# Altium PCB MB1605.PcbDoc (part 1 of 11) (continued)
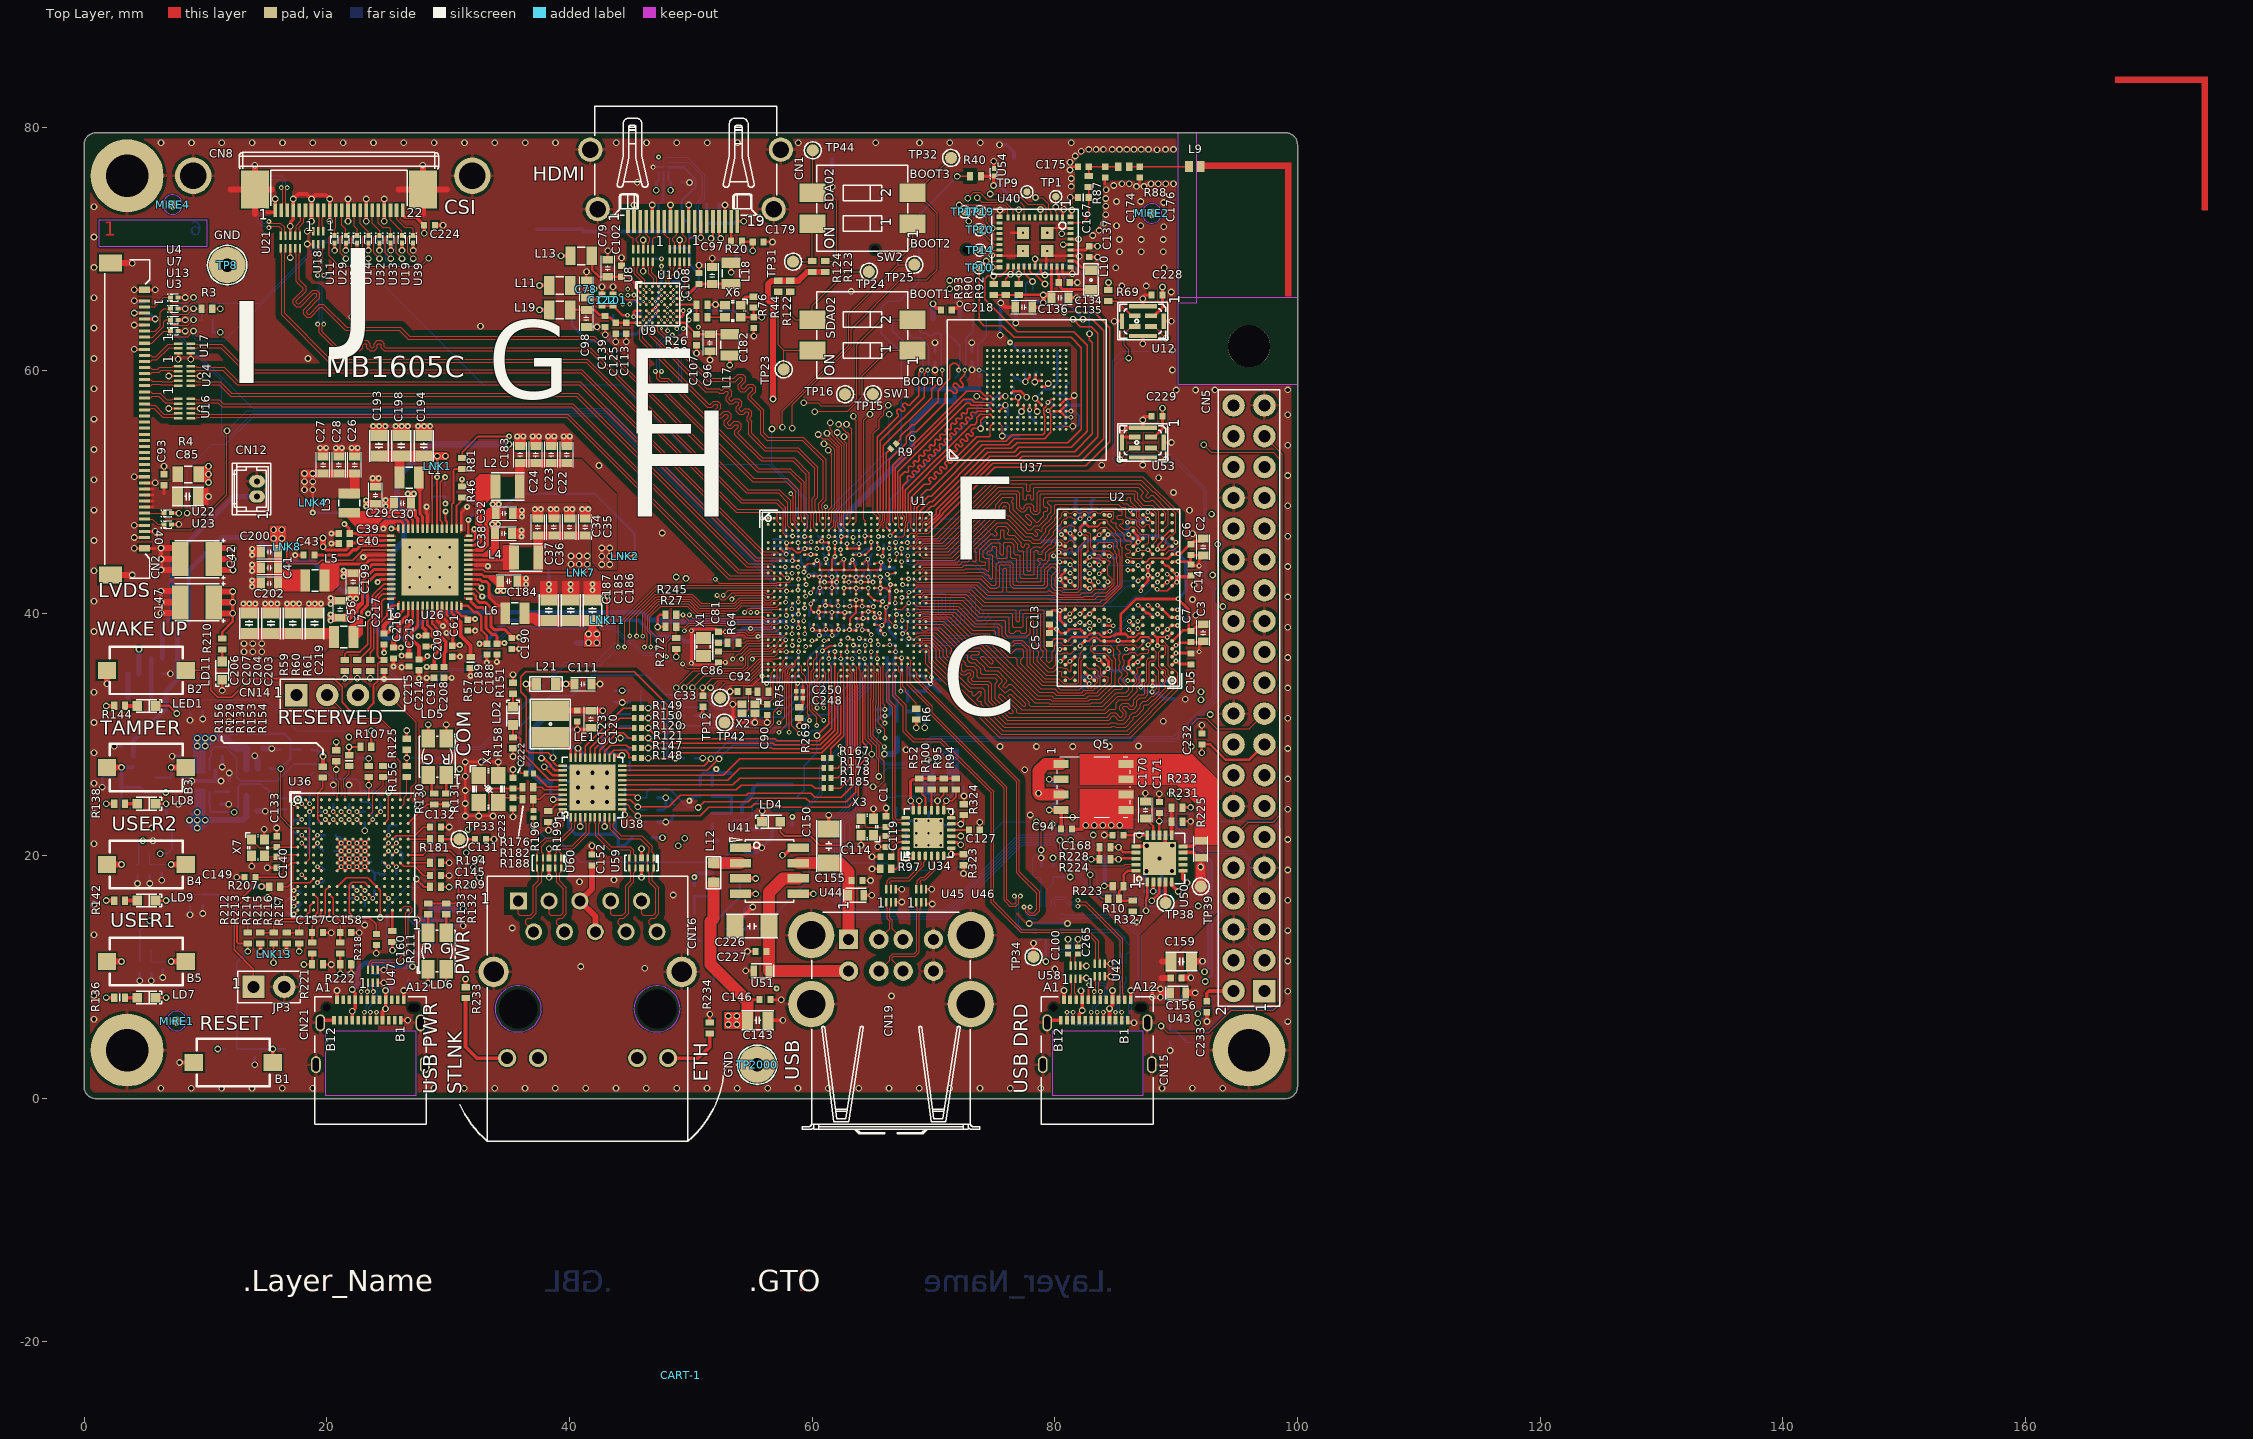
[diagram p0: Top Layer view]
## Classes and differential pairs (continued)
component class U_SDcard_eMMC: C9 C89 C117 C118 C128 C130 C148 C218 CN6 D7 HW1 R9 R34 R35 R36 R37 R38 R39 R40 R101 R103 R104 R248 TP21 U5 U6 U37 U54
component class U_MP257_14x14: C33 C81 C86 C90 C92 R27 R31 R32 R64 R75 R107 R125 R205 R224 R228 R245 R246 R260 R261 R272 TP11 TP12 TP13 TP30 TP35 TP40 TP41 TP42 TP43 U1 X1 X2
component class U_LVDS: C84 C85 C93 CN2 R3 R4 U3 U4 U7 U13 U16 U17 U22 U23 U24
component class U_LpDDR4: C2 C3 C4 C5 C6 C7 C8 C10 C11 C12 C13 C14 C15 C16 C17 C18 C19 C20 C21 R1 R2 R42 S U2
component class U_Expansion_Connector: C232 C233 CN5
component class U_CAMERA: C224 CN8 R251 U11 U14 U18 U19 U21 U29 U31 U32 U33 U39
component class U_AUDIO: C228 C229 R69 U12 U53
component class U_HDMI: C78 C79 C80 C96 C97 C98 C101 C102 C106 C107 C108 C113 C122 C125 C139 C177 C179 C180 C181 C182 CN1 D1 L11 L13 L16 L17 L18 L19 R13 R15 R16 R17 R18 R20 R21 R22 R23 R24 R25 R26 R28 R29 R30 R63 R76 R250 U8 U9 U10 U20 X6
component class U_Peripherals: B1 B3 B4 B5 C161 C162 C163 LD7 LD8 LD9 LED1 Q1 Q2 Q3 R33 R44 R122 R123 R124 R126 R127 R128 R135 R136 R137 R138 R139 R140 R141 R142 R143 R144 SW1 SW2 TP2 TP3 TP4 TP5 TP6 TP7 TP15 TP16 TP22 TP23 TP24 TP25 TP31 TP32 TP44 U15 U25 U27 U28
net class SD.SDMMC1_D[0..3]: SD.SDMMC1_D0 SD.SDMMC1_D1 SD.SDMMC1_D2 SD.SDMMC1_D3
net class BOOT[0..3]: BOOT0 BOOT1 BOOT2 BOOT3
component class U_WLAN_BLUETOOTH: C134 C135 C136 C137 C167 C174 C175 C176 L9 L10 R87 R88 R89 R90 R91 R92 R93 TP1 TP9 TP10 TP14 TP17 TP18 TP19 TP20 U40
component class U_Power_MPU: C44 C45 C46 C47 C48 C49 C50 C51 C52 C53 C54 C55 C57 C58 C59 C60 C62 C63 C64 C65 C66 C67 C68 C69 C70 C71 C72 C73 C74 C75 C76 C77 C82 C83 C87 C88 C151 C192 C195 C196 C197 C201 C205 C220 C225 C234 C235 C236 C237 C238 C239 C240 C244 C246 C248 C250 C251 C252 C253 C260 CN12 D6 R11 R66 R67 R267 R269 R286 TP2000
component class U_ETHERNET: C103 C104 C109 C111 C120 C123 C141 C152 C222 C223 C280 C288 C295 C296 C302 C306 C309 C314 C317 C322 C323 C332 CN16 L15 L21 LD2 LE1 R109 R110 R111 R112 R113 R114 R120 R121 R147 R148 R149 R150 R151 R158 R161 R164 R167 R173 R176 R178 R182 R185 R188 R191 R195 R196 R199 R233 R234 R292 R293 R303 R304 R305 R310 R313 R318 R319 R322 U38 U59 U60 X4
component class U_Power_PMIC: B2 C22 C23 C24 C26 C27 C28 C29 C30 C32 C34 C35 C36 C37 C38 C39 C40 C41 C42 C43 C56 C61 C91 C147 C183 C184 C185 C186 C187 C188 C189 C190 C193 C194 C198 C199 C200 C202 C203 C204 C206 C207 C208 C209 C213 C214 C215 C216 C217 C219 L1 L2 L3 L4 L5 L6 L7 LD11 LNK1 LNK2 LNK4 LNK7 LNK8 LNK11 R46 R57 R59 R60 R61 R81 R210 TP8 U26
differential pair netc265/netc212: +NetC100_2 -NetC265_2
differential pair netc266/netc267: +NetC267_2 -NetC266_2
differential pair RX2: +RX2_P -RX2_N
differential pair RX1: +RX1_P -RX1_N
differential pair USB3TX: +USB3TX_P -USB3TX_N
differential pair USB3RX: +USB3RX_P -USB3RX_N
differential pair TX20: +TX20_P -TX20_N
differential pair TX10: +TX10_P -TX10_N
differential pair TX2: +TX2_P -TX2_N
differential pair TX1: +TX1_P -TX1_N
differential pair HDMI_RXC: +HDMI_RXC_P -HDMI_RXC_N
differential pair HDMI_RX2: +HDMI_RX2_P -HDMI_RX2_N
differential pair HDMI_RX1: +HDMI_RX1_P -HDMI_RX1_N
differential pair HDMI_RX0: +HDMI_RX0_P -HDMI_RX0_N
differential pair USBDN1: +USBDN1_P -USBDN1_N
differential pair DDR_DQS1_B: +DDR_DQS1_B_P -DDR_DQS1_B_N
differential pair DDR_DQS1_A: +DDR_DQS1_A_P -DDR_DQS1_A_N
differential pair DDR_DQS0_B: +DDR_DQS0_B_P -DDR_DQS0_B_N
differential pair DDR_DQS0_A: +DDR_DQS0_A_P -DDR_DQS0_A_N
differential pair DDR_CLK_B: +DDR_CLK_B_P -DDR_CLK_B_N
differential pair DDR_CLK_A: +DDR_CLK_A_P -DDR_CLK_A_N
differential pair USBH: +USBH_P -USBH_N
differential pair USBDR: +USBDR_P -USBDR_N
differential pair USBDN2: +USBDN2_P -USBDN2_N
differential pair USB_DCONN: +USB_DCONN_P -USB_DCONN_N
differential pair USB2CN: +USB2CN_P -USB2CN_N
differential pair USB1CN: +USB1CN_P -USB1CN_N
differential pair TMDS_D2: +TMDS_D2_P -TMDS_D2_N
differential pair TMDS_D1: +TMDS_D1_P -TMDS_D1_N
differential pair TMDS_D0: +TMDS_D0_P -TMDS_D0_N
differential pair TMDS_CLK: +TMDS_CLK_P -TMDS_CLK_N
differential pair STLK_USB: +STLK_USB_P -STLK_USB_N
differential pair STLK_USB_CN: +STLK_USB_CN_P -STLK_USB_CN_N
differential pair LVDS1.D3con: +LVDS1.D3con_P -LVDS1.D3con_N
differential pair LVDS1.D2con: +LVDS1.D2con_P -LVDS1.D2con_N
differential pair LVDS1.D1con: +LVDS1.D1con_P -LVDS1.D1con_N
differential pair LVDS1.D0con: +LVDS1.D0con_P -LVDS1.D0con_N
differential pair LVDS1.CLK: +LVDS1.CLK_P -LVDS1.CLK_N
differential pair LVDS1.CLKcon: +LVDS1.CLKcon_P -LVDS1.CLKcon_N
differential pair DSI_D3: +DSI_D3_P -DSI_D3_N
differential pair DSI_D2: +DSI_D2_P -DSI_D2_N
differential pair DSI_D1: +DSI_D1_P -DSI_D1_N
differential pair DSI_D0: +DSI_D0_P -DSI_D0_N
differential pair DSI_CLK: +DSI_CLK_P -DSI_CLK_N
differential pair CSI.D1con: +CSI.D1con_P -CSI.D1con_N
differential pair CSI.D0con: +CSI.D0con_P -CSI.D0con_N
differential pair CSI.CKcon: +CSI.CKcon_P -CSI.CKcon_N
differential pair RJ452_D4: +RJ452_D4_P -RJ452_D4_N
differential pair RJ452_D3: +RJ452_D3_P -RJ452_D3_N
differential pair RJ452_D2: +RJ452_D2_P -RJ452_D2_N
differential pair RJ452_D1: +RJ452_D1_P -RJ452_D1_N
differential pair LVDS1.D3: +LVDS1.D3_P -LVDS1.D3_N
differential pair LVDS1.D2: +LVDS1.D2_P -LVDS1.D2_N
differential pair LVDS1.D1: +LVDS1.D1_P -LVDS1.D1_N
differential pair LVDS1.D0: +LVDS1.D0_P -LVDS1.D0_N
differential pair CSI.D1: +CSI.D1_P -CSI.D1_N
differential pair CSI.D0: +CSI.D0_P -CSI.D0_N
differential pair CSI.CK: +CSI.CK_P -CSI.CK_N

## Components (designator, comment, footprint, x,y, rotation, side; value= is the part's Value field where it differs from the comment)
B1 "SW_PUSH_SMD_2P" SWI_WE_434121025816 12.299,2.979 r180 top value=434121025816
B2 "SW_PUSH_SMD_2P" SWI_WE_434121025816 5.136,35.3 r0 top value=434121025816
B3 "SW_PUSH_SMD_2P" SWI_WE_434121025816 5.136,27.3 r0 top value=434121025816
B4 "SW_PUSH_SMD_2P" SWI_WE_4341x10258x6 5.136,19.3 r0 top value=434111025826
B5 "SW_PUSH_SMD_2P" SWI_WE_4341x10258x6 5.136,11.3 r0 top value=434111025826
C1 "Capacitor" C0402 66.088,22.826 r270 top value=6.8pF
C2 "Capacitor" C0603 92.225,45.46 r90 top value=10uF
C3 "Capacitor" C0603 92.225,38.385 r90 top value=10uF
C4 "100nF" C0402 81.628,45.402 r90 bottom
C5 "100nF" C0402 79.559,37.929 r90 top
C6 "100nF" C0402 91.209,45.24 r270 top
C7 "100nF" C0402 91.209,38.09 r270 top
C8 "100nF" C0402 83.459,44.995 r90 bottom
C9 "Capacitor" C0402 76.615,59.03 r270 bottom value=100nF
C10 "Capacitor" C0603 82.484,49.42 r0 bottom value=10uF
C11 "Capacitor" C0603 89.734,33.62 r270 bottom value=10uF
C12 "100nF" C0402 80.859,47.185 r0 bottom
C13 "100nF" C0402 79.559,39.529 r270 top
C14 "100nF" C0402 91.209,43.565 r90 top
C15 "100nF" C0402 91.209,36.24 r270 top
C16 "100nF" C0402 82.459,48.395 r180 bottom
C17 "100nF" C0402 87.034,48.045 r90 bottom
C18 "100nF" C0402 88.709,33.695 r90 bottom
C19 "100nF" C0402 82.259,34.26 r270 bottom
C20 "100nF" C0402 90.734,39.945 r270 bottom
C21 "100nF" C0402 85.109,45.02 r90 bottom
C22 "Capacitor" C0603 39.775,53.075 r270 top value=22uF
C23 "Capacitor" C0603 38.5,53.075 r270 top value=22uF
C24 "Capacitor" C0603 37.225,53.075 r270 top value=22uF
C25 "Capacitor" C0402 13.042,31.068 r0 bottom value=10nF
C26 "Capacitor" C0603 22.3,52.225 r270 top value=22uF
C27 "Capacitor" C0603 19.7,52.225 r270 top value=22uF
C28 "Capacitor" C0603 21,52.225 r270 top value=22uF
C29 "Capacitor" C0603 24.025,49.725 r270 top value=10uF
C30 "Capacitor" C0603 26.25,49.075 r0 top value=10uF
C31 "Capacitor" C0402 78.818,12.039 r180 bottom value=100nF
C32 "Capacitor" C0603 34.625,48.225 r180 top value=10uF
C33 "Capacitor" C0402 51,32.75 r90 top value=10nF
C34 "Capacitor" C0603 40,47.1 r270 top value=22uF
C35 "Capacitor" C0603 41.3,47.1 r270 top value=22uF
C36 "Capacitor" C0603 38.7,47.1 r270 top value=22uF
C37 "Capacitor" C0603 37.4,47.1 r270 top value=22uF
C38 "Capacitor" C0603 34.575,46.575 r180 top value=10uF
C39 "Capacitor" C0402 21.445,46.575 r0 top value=1uF
C40 "Capacitor" C0402 21.445,45.75 r0 top value=10uF
C41 "Capacitor" C0603 15.275,43.75 r0 top value=22uF
C42 "Cap_POL_TANA" CPOL_TCJ-B_1210_H210 9.311,44.468 r180 top value=100uF
C43 "Capacitor" C0402 18.535,44.8 r0 top value=1uF
C44 "1uF" C0201_MURATA_GRM033_H0P3 60.351,41.38 r270 bottom
C45 "1uF" C0201_MURATA_GRM033_H0P3 60.173,43.62 r270 bottom
C46 "1uF" C0201_MURATA_GRM033_H0P3 60.915,41.38 r90 bottom
C47 "1uF" C0201_MURATA_GRM033_H0P3 61.476,41.356 r270 bottom
C48 "1uF" C0201_MURATA_GRM033_H0P3 62.038,41.382 r90 bottom
C49 "1uF" C0201_MURATA_GRM033_H0P3 61.377,43.712 r270 bottom
C50 "1uF" C0201_MURATA_GRM033_H0P3 61.941,43.713 r270 bottom
C51 "1uF" C0201_MURATA_GRM033_H0P3 60.814,43.713 r270 bottom
C52 "1uF" C0201_MURATA_GRM033_H0P3 63.162,41.332 r270 bottom
C53 "1uF" C0201_MURATA_GRM033_H0P3 64.083,41.581 r270 bottom
C54 "1uF" C0201_MURATA_GRM033_H0P3 64.706,41.304 r270 bottom
C55 "1uF" C0201_MURATA_GRM033_H0P3 62.6,41.325 r270 bottom
C56 "Capacitor" C0603 21.1,40.325 r270 top value=10uF
C57 "1uF" C0201_MURATA_GRM033_H0P3 62.592,39.328 r270 bottom
C58 "1uF" C0201_MURATA_GRM033_H0P3 64.607,38.972 r270 bottom
C59 "1uF" C0201_MURATA_GRM033_H0P3 63.714,39.761 r270 bottom
C60 "1uF" C0201_MURATA_GRM033_H0P3 63.154,39.397 r270 bottom
C61 "Capacitor" C0402 31.625,39.02 r90 top value=4.7uF
C62 "1uF" C0201_MURATA_GRM033_H0P3 63.106,43.353 r90 bottom
C63 "1uF" C0201_MURATA_GRM033_H0P3 62.506,43.73 r270 bottom
C64 "1uF" C0201_MURATA_GRM033_H0P3 64.8,43.721 r270 bottom
C65 "1uF" C0201_MURATA_GRM033_H0P3 63.675,43.709 r90 bottom
C66 "1uF" C0201_MURATA_GRM033_H0P3 64.915,45.146 r90 bottom
C67 "1uF" C0201_MURATA_GRM033_H0P3 63.4,45.225 r270 bottom
C68 "1uF" C0201_MURATA_GRM033_H0P3 64.239,43.722 r270 bottom
C69 "1uF" C0201_MURATA_GRM033_H0P3 64.305,45.477 r270 bottom
C70 "1uF" C0201_MURATA_GRM033_H0P3 59.78,39.51 r90 bottom
C71 "1uF" C0201_MURATA_GRM033_H0P3 60.34,39.36 r270 bottom
C72 "1uF" C0201_MURATA_GRM033_H0P3 60.905,39.423 r270 bottom
C73 "1uF" C0201_MURATA_GRM033_H0P3 61.467,39.349 r90 bottom
C74 "1uF" C0201_MURATA_GRM033_H0P3 62.03,39.408 r270 bottom
C75 "1uF" C0201_MURATA_GRM033_H0P3 66.083,41.692 r90 bottom
C76 "1uF" C0201_MURATA_GRM033_H0P3 65.274,38.923 r270 bottom
C77 "1uF" C0201_MURATA_GRM033_H0P3 66.1,39.75 r270 bottom
C78 "Capacitor" C0603 41.4,66.716 r90 top value=22uF
C79 "Capacitor" C0603 43.164,68.436 r90 top value=22uF
C80 "Capacitor" C0603 47.895,65.92 r0 bottom value=22uF
C81 "Capacitor" C0402 52.285,38.025 r90 top value=3.3pF
C82 "1uF" C0201_MURATA_GRM033_H0P3 65.352,41.328 r90 bottom
C83 "1uF" C0201_MURATA_GRM033_H0P3 65.638,43.698 r180 bottom
C84 "Capacitor" C0402 4.979,65.2 r270 bottom value=100nF
C85 "Capacitor" C0805 8.564,49.625 r180 top value=47uF
C86 "Capacitor" C0402 52.285,36.4 r270 top value=3.3pF
C87 "" C0402 3.606,29.032 r0 bottom value=100nF
C88 "Capacitor" C0402 5.992,35.008 r180 bottom value=2.2uF
C89 "Capacitor" C0402 72.2,57.5 r180 bottom value=100nF
C90 "Capacitor" C0402 56.293,32.06 r90 top value=6.8pF
C91 "Capacitor" C0402 28.85,35.13 r270 top value=4.7uF
C92 "Capacitor" C0402 54.309,33.546 r180 top value=6.8pF
C93 "Capacitor" C0402 6.596,50.999 r270 top value=100nF
C94 "Capacitor" C0402 80.97,22.212 r0 top value=22pF
C95 "Capacitor" C0402 52.297,15.325 r180 bottom value=1nF
C96 "Capacitor" C0603 51.579,62.292 r270 top value=22uF
C97 "Capacitor" C0603 51.769,67.832 r90 top value=22uF
C98 "Capacitor" C0603 41.4,64.299 r270 top value=22uF
C99 "Capacitor" C0402 90.437,6.879 r90 bottom value=10nF
C100 "Capacitor" C0201_H0P3 81.087,12.216 r270 top value=100nF
C101 "Capacitor" C0402 43.589,65.806 r270 top value=100nF
C102 "Capacitor" C0402 44.3,68.186 r90 top value=100nF
C103 "" C0402 49.859,31.565 r180 bottom value=100nF
C104 "" C0402 43.675,33.176 r90 bottom value=100nF
C105 "Capacitor" C0402 50.775,25.4 r270 bottom value=100nF
C106 "Capacitor" C0402 48.045,67.364 r0 bottom value=100nF
C107 "Capacitor" C0402 50.471,62.542 r270 top value=100nF
C108 "Capacitor" C0402 50.676,67.582 r270 top value=100nF
C109 "" C0402 48.614,23.795 r90 bottom value=100nF
C110 "Capacitor" C0805 28.346,11.313 r90 bottom value=2.2uF
C111 "" C0603 41.12,34.17 r180 top value=22uF
C113 "Capacitor" C0402 44.676,63.485 r90 top value=100nF
C114 "Capacitor" C0402 66.073,19.931 r0 top value=100nF
C115 "Capacitor" C0402 68.021,23.338 r90 bottom value=100nF
C116 "Capacitor" C0402 67.757,20.855 r270 bottom value=100nF
C117 "Capacitor" C0402 78.025,59.864 r0 bottom value=2.2uF
C118 "Capacitor" C0402 75.26,57.43 r90 bottom value=100nF
C119 "Capacitor" C0402 66.088,21.201 r90 top value=6.8pF
C120 "" C0603 41.775,31.275 r90 top value=22uF
C122 "Capacitor" C0402 42.689,65.806 r270 top value=100nF
C123 "" C0402 40.65,31.525 r90 top value=100nF
C125 "Capacitor" C0402 43.815,63.485 r90 top value=100nF
C126 "Capacitor" C0402 71.552,22.088 r270 bottom value=100nF
C127 "Capacitor" C0402 73.369,22.14 r180 top value=100nF
C128 "Capacitor" C0402 82.015,56.705 r90 bottom value=2.2uF
C129 "Capacitor" C0603 30.17,14.95 r90 bottom value=10uF
C130 "Capacitor" C0402 77.027,55.055 r270 bottom value=100nF
C131 "Capacitor" C0402 32.665,21.382 r180 top value=20pF
C132 "Capacitor" C0402 28.965,22.382 r180 top value=2.2uF
C133 "Capacitor" C0402 15.885,21.182 r270 top value=5.6pF
C134 "Capacitor" C0402 80.78,67.262 r180 top value=4.7uF
C135 "Capacitor" C0603 80.428,66 r180 top value=10uF
C136 "Capacitor" C0603 77.432,65.231 r0 top value=2.2uF
C137 "" C0402 82.84,69.8 r90 top value=100nF
C139 "Capacitor" C0402 42.943,64.049 r90 top value=100nF
C140 "Capacitor" C0402 15.885,19.482 r270 top value=5.6pF
C141 "" C0402 49.86,28.065 r180 bottom value=100nF
C143 "Capacitor" C0805 55.52,6.456 r180 top value=47uF
C145 "Capacitor" C0402 28.965,18.382 r180 top value=2.2uF
C146 "Capacitor" C0402 56.109,8.16 r180 top value=100nF
C147 "Cap_POL_TANA" CPOL_TCJ-B_1210_H210 9.311,40.906 r180 top value=100uF
C148 "Capacitor" C0402 76.11,55.855 r270 bottom value=2.2uF
C149 "Capacitor" C0402 13.681,18.239 r0 top value=100nF
C150 "Capacitor" C1206_H1P6 61.375,20.822 r270 top value=220uF
C151 "Capacitor" C0201_MURATA_GRM033_H0P3 66.475,36.324 r0 bottom value=1uF
C152 "" C0402 41.865,19.659 r270 top value=100nF
C155 "Capacitor" C0402 63.69,17.976 r180 top value=100nF
C156 "Capacitor" C0402 90,9.952 r180 top value=100pF
C157 "Capacitor" C0402 19.245,13.682 r0 top value=10nF
C158 "Capacitor" C0402 21.565,13.682 r0 top value=10nF
C159 "Capacitor" C0805 90.425,11.302 r180 top value=2.2uF
C160 "Capacitor" C0402 24.09,13.107 r90 top value=2.2uF
C161 "Capacitor" C0402 4.406,18.85 r90 bottom value=100nF
C162 "Capacitor" C0402 4.592,10.837 r90 bottom value=100nF
C163 "Capacitor" C0402 2.633,25.673 r0 bottom value=1nF
C164 "Capacitor" C0402 23.71,10.737 r270 bottom value=100pF
C165 "Capacitor" C0603 14.062,28.848 r180 bottom value=10uF
C166 "Capacitor" C0402 13.84,23.691 r180 bottom value=100nF
C167 "Capacitor" C0402 82.35,74.25 r0 top value=12pF
C168 "Capacitor" C0402 85.2,21.71 r0 top value=470pF
C169 "Capacitor" C0603 8.636,28.217 r0 bottom value=10uF
C170 "Capacitor" C0603 87.475,23.79 r270 top value=100nF
C171 "Capacitor" C0402 88.625,23.985 r270 top value=470pF
C172 "Capacitor" C0402 8.886,24.257 r0 bottom value=100nF
C173 "Capacitor" C0402 11.961,25.736 r270 bottom value=10nF
C174 "Capacitor" C0402 84.15,76.35 r90 top value=12pF
C175 "Capacitor" C0402 82.35,76.8 r0 top value=12pF
C176 "Capacitor" C0402 87,76.35 r90 top value=12pF
C177 "Capacitor" C0402 52.35,72.575 r270 bottom value=100nF
C179 "Capacitor" C0402 55.553,70.6 r180 top value=4.7uF
C180 "Capacitor" C0402 46.702,75.504 r0 bottom value=100nF
C181 "Capacitor" C0402 48.793,75.504 r180 bottom value=100nF
C182 "Capacitor" C0402 55.196,63.945 r90 top value=100nF
C183 "Capacitor" C0603 35.95,53.075 r270 top value=22uF
C184 "Capacitor" C0603 34.997,42.625 r180 top value=10uF
C185 "Capacitor" C0805 40.1,40.25 r270 top value=22uF
C186 "Capacitor" C0805 41.9,40.25 r270 top value=22uF
C187 "Capacitor" C0805 38.3,40.25 r270 top value=22uF
C188 "Capacitor" C0402 34.025,37.04 r90 top value=1uF
C189 "Capacitor" C0402 33.2,37.04 r90 top value=4.7uF
C190 "Capacitor" C0402 35.25,37.515 r270 top value=4.7uF
C192 "Capacitor" C0201_MURATA_GRM033_H0P3 56.8,45.825 r90 bottom value=100nF
C193 "Capacitor" C0805 24.3,53.8 r270 top value=22uF
C194 "Capacitor" C0805 28,53.8 r270 top value=22uF
C195 "Capacitor" C0201_MURATA_GRM033_H0P3 62.675,46.787 r180 bottom value=100nF
C196 "Capacitor" C0201_MURATA_GRM033_H0P3 60.9,45.2 r90 bottom value=100nF
C197 "Capacitor" C0201_MURATA_GRM033_H0P3 58.513,45.342 r0 bottom value=100nF
C198 "Capacitor" C0805 26.15,53.8 r270 top value=22uF
C199 "Capacitor" C0603 22.175,42.6 r90 top value=10uF
C200 "Capacitor" C0603 15.275,45.05 r0 top value=22uF
C201 "Capacitor" C0201_MURATA_GRM033_H0P3 57.375,45.825 r90 bottom value=100nF
C202 "Capacitor" C0603 15.275,42.45 r0 top value=22uF
C203 "Capacitor" C0805 19,39.173 r270 top value=22uF
C204 "Capacitor" C0805 17.2,39.173 r270 top value=22uF
C205 "Capacitor" C0201_MURATA_GRM033_H0P3 60.21,46.38 r0 bottom value=100nF
C206 "Capacitor" C0805 13.6,39.173 r270 top value=22uF
C207 "Capacitor" C0805 15.4,39.173 r270 top value=22uF
C208 "Capacitor" C0402 29.675,35.13 r270 top value=4.7uF
C209 "Capacitor" C0402 30.35,36.87 r90 top value=4.7uF
C212 "Capacitor" C0402 53.775,23.575 r180 bottom value=1nF
C213 "Capacitor" C0402 28.175,37.72 r90 top value=1uF
C214 "Capacitor" C0402 27.6,35.75 r270 top value=4.7uF
C215 "Capacitor" C0402 26.775,36.06 r270 top value=4.7uF
C216 "Capacitor" C0402 25.5,36.725 r90 top value=1uF
C217 "Capacitor" C0402 24.725,37.87 r270 top value=4.7uF
C218 "Capacitor" C0402 71.06,64.99 r180 top value=4.7uF
C219 "Capacitor" C0402 24.727,35.695 r90 top value=10nF
C220 "Capacitor" C0201_MURATA_GRM033_H0P3 59.609,44.131 r90 bottom value=100nF
C222 "" C0402 35.35,26 r270 top value=10pF
C223 "" C0402 35.35,24.35 r90 top value=10pF
C224 "Capacitor" C0402 28.475,71.975 r180 top value=1uF
C225 "Capacitor" C0201_H0P5 56.996,40.309 r0 bottom value=4.7uF
C226 "Capacitor" C1206_H1P6 55.045,14.225 r0 top value=220uF
C227 "Capacitor" C0402 55.795,12.136 r0 top value=100nF
C228 "" C0402 88.425,66.231 r180 top value=100nF
C229 "" C0402 88.425,56.231 r180 top value=100nF
C232 "Capacitor" C0402 92.118,29.64 r90 top value=100nF
C233 "Capacitor" C0402 92.524,7.57 r90 top value=100nF
C234 "Capacitor" C0201_MURATA_GRM033_H0P3 56.064,38.473 r90 bottom value=100nF
C235 "Capacitor" C0201_H0P5 58.575,35.625 r0 bottom value=2.2uF
C236 "Capacitor" C0201_MURATA_GRM033_H0P3 57.35,44.6 r270 bottom value=100nF
C237 "Capacitor" C0201_MURATA_GRM033_H0P3 56.696,44.605 r270 bottom value=100nF
C238 "Capacitor" C0201_MURATA_GRM033_H0P3 65.913,45.951 r270 bottom value=100nF
C239 "Capacitor" C0201_MURATA_GRM033_H0P3 64.125,46.837 r0 bottom value=100nF
C240 "Capacitor" C0201_MURATA_GRM033_H0P3 58.751,44.778 r180 bottom value=100nF
C244 "Capacitor" C0201_MURATA_GRM033_H0P3 58.6,36.331 r0 bottom value=100nF
C246 "Capacitor" C0201_MURATA_GRM033_H0P3 67.65,35.525 r180 bottom value=100nF
C248 "Capacitor" C0201_MURATA_GRM033_H0P3 58.958,33.002 r0 top value=100nF
C250 "Capacitor" C0201_MURATA_GRM033_H0P3 58.958,33.572 r0 top value=1uF
C251 "Capacitor" C0201_MURATA_GRM033_H0P3 68.165,33.588 r180 bottom value=100nF
C252 "Capacitor" C0201_MURATA_GRM033_H0P3 66.87,37.66 r270 bottom value=1uF
C253 "Capacitor" C0201_MURATA_GRM033_H0P3 67.65,34.925 r180 bottom value=100nF
C260 "Capacitor" C0201_MURATA_GRM033_H0P3 66.475,35.714 r0 bottom value=1uF
C265 "Capacitor" C0201_H0P3 81.906,12.216 r270 top value=100nF
C266 "Capacitor" C0201_H0P3 86.111,12.401 r270 bottom value=100nF
C267 "Capacitor" C0201_H0P3 85.292,12.401 r270 bottom value=100nF
C280 "" C0603 39.825,29.7 r90 bottom value=22uF
C281 "Capacitor" C0402 17.865,16.507 r90 bottom value=100nF
C282 "Capacitor" C0402 20.54,24.732 r90 bottom value=100nF
C288 "" C0603 42.575,28.25 r90 bottom value=22uF
C289 "Capacitor" C0402 19.24,23.207 r270 bottom value=100nF
C290 "Capacitor" C0402 23.14,23.207 r270 bottom value=100nF
C295 "" C0402 43.65,27.95 r90 bottom value=100nF
C296 "" C0402 41.3,27.8 r90 bottom value=100nF
C297 "Capacitor" C0402 21.84,24.732 r90 bottom value=100nF
C298 "Capacitor" C0402 20.165,20.407 r0 bottom value=100nF
C299 "Capacitor" C0402 19.815,18.407 r270 bottom value=100nF
C302 "" C0603 39.15,26.125 r180 bottom value=22uF
C303 "Capacitor" C0402 25.29,18.482 r180 bottom value=100nF
C306 "" C0402 39.75,25.05 r180 bottom value=100nF
C309 "" C0402 39.945,23.67 r270 bottom value=100nF
C310 "Capacitor" C0402 20.29,21.707 r0 bottom value=100nF
C311 "Capacitor" C0402 25.74,22.082 r90 bottom value=100nF
C314 "" C0402 44.575,24.55 r270 bottom value=100nF
C317 "" C0402 43.75,23.6 r270 bottom value=100nF
C322 "" C0402 41.3,23.475 r270 bottom value=100nF
C323 "" C0402 42.5,23.475 r270 bottom value=100nF
C324 "Capacitor" C0402 17.29,22.425 r270 bottom value=100nF
C325 "Capacitor" C0402 23.14,15.432 r270 bottom value=100nF
C326 "Capacitor" C0402 21.79,16.957 r90 bottom value=100nF
C327 "Capacitor" C0402 16.715,15.857 r90 bottom value=100nF
C328 "Capacitor" C0402 25.79,19.757 r180 bottom value=100nF
C329 "Capacitor" C0402 24.14,19.532 r180 bottom value=100nF
C332 "" C0603 43.325,20.85 r0 bottom value=22uF
C333 "Capacitor" C0402 23.945,17.607 r90 bottom value=100nF
C334 "Capacitor" C0402 87.425,17.535 r90 bottom value=100nF
C335 "Capacitor" C0402 88.825,17.535 r90 bottom value=4.7uF
CART-1 "Comment" Sheetbox_6L2S 4.1,-28.075 r0 top
CN1 "HDMI_TypeA_DB19_7" CON_HDMI_FCI-AMPHENOL_10029449-001RLF 49.576,80.8 r180 top value=HDMI_A_10029449-001RLF
CN2 "IPEX20455" CON_I-PEX_20455-040E-76 4.5,56 r270 top value=Socket_FFC/FPC_IPEX
CN5 "Header 20x2" CON_SAMTEC_TSW-120-07-G-D 96,33 r90 top
CN6 "microSD-PJS008-2003" CON_MICROSD_YAMAICHI_PJS008-2003-1 69.185,79.775 r90 bottom value=uSD-Card_PJS008-2003-1
CN8 "2-1734592-2" CON_TE-CONNECTIVITY_2-1734592-2_INV 21,74.922 r180 top
CN12 "" CON_MOLEX_53047-0210 14.25,50.25 r90 top value="Header 2x1"
CN14 "Header 4x1" CON_SAMTEC_TSW-104-07-G-S 21.305,33.257 r0 top
CN15 "USB_TYPE_C_Receptacle" CON_USB-TYPEC_AMPHENOL_12401826E412A 83.5,7.5 r0 top value=USB_C_12401826E412A
CN16 "​New part for use of led pulled down on pin 13/14 , schematic more lisible." CON_RJ45_YD_48F-01GYDXNL_LED-P 41.5,0 r0 top locked value=RJ45_48F-01GYDXNL
CN19 "USB_DUAL_TYPEA_5600-3081" CON_DUAL-USB-TYPE-A_CONEXCON_5600-3081 66.5,-2.5 r0 top locked value=USB_A_5600-3081
CN21 "USB_TYPE_C_Receptacle" CON_USB-TYPEC_AMPHENOL_12401826E412A 23.6,7.5 r0 top value=USB_C_12401826E412A
D1 "DIODE_SOT23" DIO_SOT23_SC59_1A_2NC_3K_H1P4 37.3,70.558 r180 bottom value=BAR18FILM
D2 "SCHOTTKY_1A_2K" DIO_SOD123_1A_2K_H1P45 53.563,9.813 r180 bottom value=STPS0530Z
D5 "SCHOTTKY_1A_2K" DIO_SOD123_1A_2K_H1P45 58.375,24.188 r90 bottom value=STPS0530Z
D6 "DIODE_3P_DUAL_COMMON_CATHODE" DIO_SOT23 4.582,31.991 r0 bottom value=BAT54CFILM
D7 "BAT60JFILM" DIO_SOD323 79.125,61.563 r180 bottom
JP3 "Jumper_Header 2x1" CON_SAMTEC_TSW-102-07-G-S 15.235,9.211 r0 top value="Header 2x1"
L1 "Inductor" IND_2016_MURATA_LQM2MPN2R2NG0 26.795,51.175 r180 top value=2.2uH
L2 "Inductor" IND_2520_TOKO_DFE252012P 34.915,50.45 r0 top value=0.68킜
L3 "Inductor" IND_2016_MURATA_LQM2MPN2R2NG0 21.85,49.075 r90 top value=0.68uH
L4 "Inductor" IND_2520_TOKO_DFE252012P 36.425,44.6 r0 top value=0.68킜
L5 "Inductor" IND_2016_MURATA_LQM2MPN2R2NG0 19.025,42.7 r180 top value=0.68uH
L6 "Inductor" IND_2016_MURATA_LQM2MPN2R2NG0 35.5,40 r0 top value=2.2uH
L7 "Inductor" IND_2016_MURATA_LQM2MPN2R2NG0 21.4,38.05 r180 top value=0.68uH
L9 "Inductor" IND_0402_MURATA_LQW15AN2N4C00X 91.525,76.8 r0 top value=2.4nH
L10 "Inductor" L0603 82.98,67.47 r270 top value=2.2uH
L11 "Inductor" IND_0805_MURATA_LQM21 39.202,67.016 r180 top value=10uH
L12 "BEAD" FIL_0603_H0P65 51.875,18.613 r90 top value="26R @ 100Mhz"
L13 "Inductor" IND_0805_MURATA_LQM21 40.97,69.456 r180 top value=10uH
L15 "" FIL_0603_H0P65 45.97,21.5 r0 bottom value="100R @ 100MHz"
L16 "Inductor" IND_0805_MURATA_LQM21 39.325,64.999 r180 bottom value=10uH
L17 "Inductor" IND_0805_MURATA_LQM21 53.214,62.117 r270 top value=10uH
L18 "Inductor" IND_0805_MURATA_LQM21 53.326,68.007 r90 top value=10uH
L19 "Inductor" IND_0805_MURATA_LQM21 39.205,64.999 r180 top value=10uH
L21 "" FIL_0603_H0P65 38.07,34.17 r180 top value="100R @ 100MHz"
LD2 "LED_green" LED_0603_OSRAM_LG-Q396-PS-35_GREEN_1A2K_H0P4 35.35,31.545 r90 top value=GREEN
LD4 "LED_red" LED_0603_VISHAY_VLMS1300-GS08_RED_1A2K_H0P8 56.626,22.826 r180 top value=RED
LD5 "LED_BICOLOR" LED_BI-GR_WE-150141SV73110 29.108,28.175 r180 top value="Green / Red"
LD6 "LED_BICOLOR" LED_BI-GR_WE-150141SV73110 29.1,12.169 r0 top value="Green / Red"
LD7 "LED_red" LED_0603_VISHAY_VLMS1300-GS08_RED_1A2K_H0P8 5.136,8.327 r0 top value=RED
LD8 "LED_green" LED_0603_OSRAM_LG-Q396-PS-35_GREEN_1A2K_H0P4 5.136,24.294 r0 top value=GREEN
LD9 "LED_orange" LED_0603_OSRAM_LO-Q976-PS-25_ORANGE_1A2K_H0P8 5.136,16.327 r0 top value=ORANGE
LD11 "LED_green" LED_0603_OSRAM_LG-Q396-PS-35_GREEN_1A2K_H0P4 11.386,35.272 r270 top value=GREEN
LE1 "" L1210_LQH 38.425,30.875 r90 top value=4.7uH
LED1 "" LED_0603_OSRAM_LB-Q39G-L2OO-35-1_BLUE_1A2K_H0P4 5.136,32.361 r0 top value=BLUE
LNK1 "link_200" LINK200 29.1,52.123 r0 top
LNK2 "link_200" LINK200 44.541,44.7 r90 top
LNK4 "link_200" LINK200 18.85,49.125 r180 top
LNK7 "link_200" LINK200 40.95,43.35 r270 top
LNK8 "link_200" LINK200 16.7,45.498 r0 top
LNK11 "link_200" LINK200 43.1,39.44 r180 top
LNK13 "link_200" LINK200 15.615,11.912 r0 top
MIRE1 "Comment" MIRE_PLACE_SMD_0P8MM 7.625,6.4 r0 top
MIRE2 "Comment" MIRE_PLACE_SMD_0P8MM 88,72.95 r0 top
MIRE3 "Comment" MIRE_PLACE_SMD_0P8MM 7.625,6.4 r180 bottom
MIRE4 "Comment" MIRE_PLACE_SMD_0P8MM 7.3,73.675 r0 top
MIRE5 "Comment" MIRE_PLACE_SMD_0P8MM 7.3,73.675 r180 bottom
MIRE6 "Comment" MIRE_PLACE_SMD_0P8MM 88,72.95 r180 bottom
Q1 "MOSFET_N-CHANNEL" MOS_SC89-3L 8.186,32.361 r270 bottom value=Si1062X
Q2 "MOSFET_N-CHANNEL" MOS_SC89-3L 8.186,16.327 r270 bottom value=Si1062X
Q3 "MOSFET_N-CHANNEL" MOS_SC89-3L 6.763,22.852 r180 bottom value=Si1062X
Q5 "STL40DN3LLH5" PowerFLAT_5x6 83.195,25.687 r90 top
Q9 "MOSFET_P-CHANNEL" MOS_SOT23 54.4,25.888 r90 bottom value=DMP3099L
Q10 "MOSFET_P-CHANNEL" MOS_SOT23 52.922,17.638 r90 bottom value=DMP3099L
Q11 "MOSFET_N-CHANNEL" MOS_SOT23 53.4,21.263 r270 bottom value=DMN3731U
Q12 "MOSFET_N-CHANNEL" MOS_SOT23 51.922,13.013 r270 bottom value=DMN3731U
R1 "Resistor" R0201_H0P23 66.75,43.425 r270 bottom value=240R
R2 "Resistor" R0201_H0P23 85.459,34.97 r90 bottom value=240R
R3 "Resistor" R0402 10.124,65.1 r180 top value=10K
R4 "Resistor" R0805 8.589,51.449 r0 top value=0R
R5 "Resistor" R0402 70.555,33.996 r90 bottom value=200R
R6 "Resistor" R0402 68.584,31.683 r270 top value=200R
R7 "Resistor" R0402 65.274,31.623 r270 bottom value=200R
R8 "Resistor" R0402 51.775,25.388 r90 bottom value=140K
R9 "Resistor" R0201_H0P23 66.702,53.774 r45 top value=22R
R10 "Resistor" R0402 84.85,16.485 r0 top value=0R
R11 "Resistor" R0603 67,30.375 r90 bottom value=0R
R12 "Resistor" R0402 50.297,17.138 r90 bottom value=140K
R13 "Resistor" R0402 50.926,64.947 r180 bottom value=2K
R15 "Resistor" R0402 51.33,72.575 r90 bottom value=10K
R16 "Resistor" R0402 45.924,67.181 r180 bottom value=10K
R17 "Resistor" R0402 45.942,65.276 r90 bottom value=10K
R18 "Resistor" R0402 46.875,69.653 r270 bottom value=1K
R20 "Resistor" R0402 53.776,70.6 r180 top value=0R
R21 "Resistor" R0402 53.326,69.903 r0 bottom value=2K
R22 "Resistor" R0402 53.326,68.92 r0 bottom value=2K
R23 "Resistor" R0402 49.887,67.025 r90 bottom value=0R
R24 "Resistor" R0402 42.234,65.471 r0 bottom value=0R
R25 "Resistor" R0402 43.613,65.029 r270 bottom value=2K
R26 "Resistor" R0402 50.926,65.435 r180 top value=0R
R27 "Resistor" R0402 48.355,38.872 r180 top value=10K
R28 "Resistor" R0603 48.24,70.765 r270 bottom value=27K
R29 "Resistor" R0402 47.79,72.403 r0 bottom value=0R
R30 "Resistor" R0402 50.926,64.395 r0 top value=0R
R31 "Resistor" R0402 10.175,63.15 r0 bottom value=1K5
R32 "Resistor" R0402 10.175,64.175 r0 bottom value=1K5
R33 "Resistor" R0402 12.136,4.09 r180 bottom value=10K
R34 "Resistor" R0402 71.75,58.943 r270 bottom value=10K
R35 "Resistor" R0402 68.661,58.943 r270 bottom value=47K
R36 "Resistor" R0402 69.7,58.943 r270 bottom value=47K
R37 "Resistor" R0402 70.725,58.943 r270 bottom value=47K
R38 "Resistor" R0402 72.75,58.943 r270 bottom value=47K
R39 "Resistor" R0402 73.754,58.98 r270 bottom value=47K
R40 "Resistor" R0402 73.465,76.025 r0 top value=0R
R41 "Resistor" R0402 56.275,22.2 r180 bottom value=100K
R42 "Resistor" R0402 78.984,45.51 r270 bottom value=10K
R44 "Resistor" R0402 57.2,66.95 r90 top value=1K
R46 "" R0402 31.15,49.998 r270 top value=0R
R52 "Resistor" R0402 68.82,25.937 r90 top value=10K
R57 "" R0402 31.85,35.95 r90 top value=0R
R59 "" R0402 21.48,35.695 r90 top value=0R
R60 "" R0402 22.53,35.695 r90 top value=0R
R61 "" R0402 23.58,35.695 r90 top value=0R
R63 "Resistor" R0402 49.889,70.5 r270 bottom value=0R
R64 "" R0402 53.485,37.575 r180 top value=0R
R66 "Resistor" R0402 5.992,36.26 r180 bottom value=20R
R67 "Resistor" R0402 4.082,35.008 r0 bottom value=0R
R69 "Resistor" R0402 84.416,66.181 r270 top value=10K
R75 "" R0402 55.959,33.546 r0 top value=0R
R76 "Resistor" R0402 55.196,65.635 r90 top value=10K
R81 "" R0402 31.163,52.348 r270 top value=0R
R87 "Resistor" R0402 82.8,75.575 r270 top value=0R
R88 "Resistor" R0402 85.675,76.8 r180 top value=0R
R89 "Resistor" R0402 78.164,66.184 r90 bottom value=47K
R90 "Resistor" R0402 75.975,66.682 r90 top value=47K
R91 "Resistor" R0402 80.045,66.692 r90 bottom value=47K
R92 "Resistor" R0402 77.025,66.679 r90 top value=47K
R93 "Resistor" R0402 74.95,66.679 r90 top value=47K
R94 "Resistor" R0402 71.85,25.937 r90 top value=100K
R95 "Resistor" R0402 70.844,25.937 r90 top value=100K
R96 "Resistor" R0402 65.549,24.859 r0 bottom value=1K
R97 "Resistor" R0402 66.069,18.927 r0 top value=12K
R98 "Resistor" R0402 72.027,25.712 r180 bottom value=100K
R99 "Resistor" R0402 69.6,24.1 r90 bottom value=100K
R100 "Resistor" R0402 69.837,25.937 r270 top value=10K
R101 "Resistor" R0402 74.375,56.325 r90 bottom value=10K
R102 "Resistor" R0402 66.934,24.409 r90 bottom value=100K
R103 "Resistor" R0402 80.171,57.511 r90 bottom value=10K
R104 "Resistor" R0402 80.175,55.805 r270 bottom value=10K
R105 "Resistor" R0402 79.854,18.715 r90 bottom value=100K
R106 "Resistor" R0402 78.868,18.715 r270 bottom value=100K
R107 "Resistor" R0402 23.225,28.982 r0 top value=10K
R109 "" R0402 45.42,33.625 r180 bottom value=4K7
R110 "" R0402 47.62,31.565 r0 bottom value=4K7
R111 "" R0402 47.62,30.545 r0 bottom value=4K7
R112 "" R0402 47.62,29.53 r0 bottom value=4K7
R113 "" R0402 45.42,28.75 r0 bottom value=4K7
R114 "" R0402 47.62,28.065 r0 bottom value=4K7